# KiCad board prelude-driver-tail.kicad_pcb (continued)
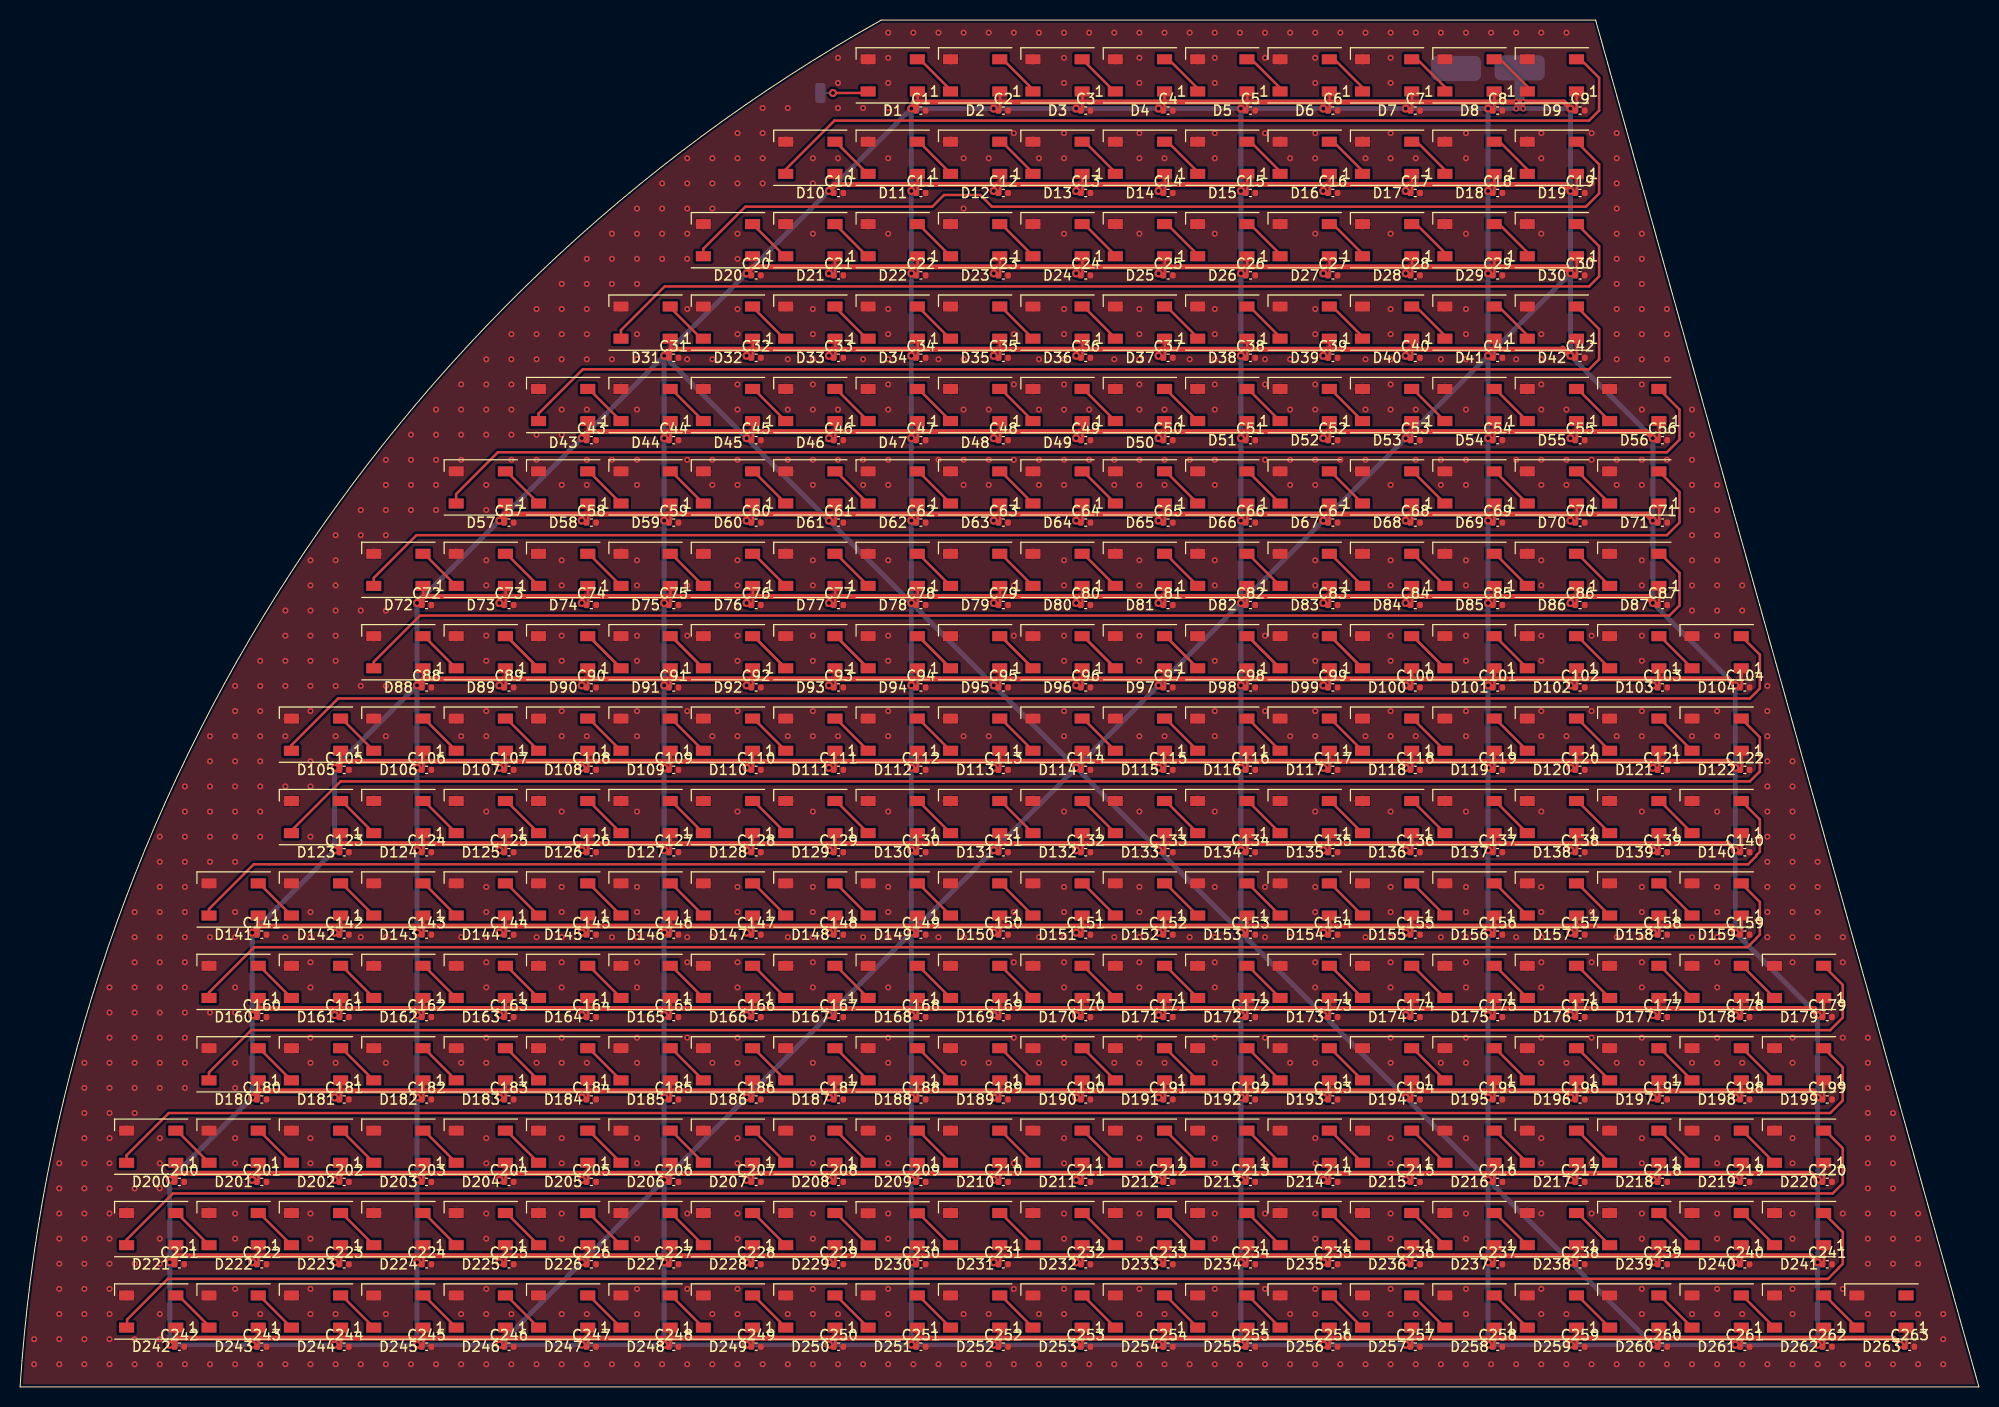
[diagram p0: board, top side]
## Copper pours and planes (outline as drawn; the poured copper is in the pictures) (continued)
+5V on Top: 81.85,95.4 81.35,94.88 81.35,94 80.1,94 80.1,94.6 80.9,95.6 81.85,95.6
+5V on Top: 131.05,87.2 130.55,86.67 130.55,85.8 129.3,85.8 129.3,86.4 130.1,87.4 131.05,87.4
+5V on Top: 163.85,38 163.35,37.47 163.35,36.6 162.1,36.6 162.1,37.2 162.9,38.2 163.85,38.2
+5V on Top: 172.05,38 171.55,37.47 171.55,36.6 170.3,36.6 170.3,37.2 171.1,38.2 172.05,38.2
+5V on Top: 24.45,46.2 23.95,45.67 23.95,44.8 22.7,44.8 22.7,45.4 23.5,46.4 24.45,46.4
+5V on Top: 81.85,62.6 81.35,62.08 81.35,61.2 80.1,61.2 80.1,61.8 80.9,62.8 81.85,62.8
+5V on Top: 122.85,38 122.35,37.47 122.35,36.6 121.1,36.6 121.1,37.2 121.9,38.2 122.85,38.2
+5V on Top: 131.05,103.6 130.55,103.08 130.55,102.2 129.3,102.2 129.3,102.8 130.1,103.8 131.05,103.8
+5V on Top: 81.85,38 81.35,37.47 81.35,36.6 80.1,36.6 80.1,37.2 80.9,38.2 81.85,38.2
+5V on Top: 147.45,5.2 146.95,4.68 146.95,3.8 145.7,3.8 145.7,4.4 146.5,5.4 147.45,5.4
+5V on Top: 139.25,46.2 138.75,45.67 138.75,44.8 137.5,44.8 137.5,45.4 138.3,46.4 139.25,46.4
+5V on Top: 57.25,62.6 56.75,62.08 56.75,61.2 55.5,61.2 55.5,61.8 56.3,62.8 57.25,62.8
+5V on Top: 65.45,5.2 64.95,4.68 64.95,3.8 63.7,3.8 63.7,4.4 64.5,5.4 65.45,5.4
+5V on Top: 122.85,103.6 122.35,103.08 122.35,102.2 121.1,102.2 121.1,102.8 121.9,103.8 122.85,103.8
+5V on Top: 65.45,21.6 64.95,21.08 64.95,20.2 63.7,20.2 63.7,20.8 64.5,21.8 65.45,21.8
+5V on Top: 49.05,46.2 48.55,45.67 48.55,44.8 47.3,44.8 47.3,45.4 48.1,46.4 49.05,46.4
+5V on Top: 131.05,21.6 130.55,21.08 130.55,20.2 129.3,20.2 129.3,20.8 130.1,21.8 131.05,21.8
+5V on Top: 32.65,21.6 32.15,21.08 32.15,20.2 30.9,20.2 30.9,20.8 31.7,21.8 32.65,21.8
+5V on Top: 57.25,5.2 56.75,4.68 56.75,3.8 55.5,3.8 55.5,4.4 56.3,5.4 57.25,5.4
+5V on Top: 131.05,128.2 130.55,127.67 130.55,126.8 129.3,126.8 129.3,127.4 130.1,128.4 131.05,128.4
+5V on Top: 57.25,79 56.75,78.47 56.75,77.6 55.5,77.6 55.5,78.2 56.3,79.2 57.25,79.2
+5V on Top: 139.25,128.2 138.75,127.67 138.75,126.8 137.5,126.8 137.5,127.4 138.3,128.4 139.25,128.4
+5V on Top: 122.85,46.2 122.35,45.67 122.35,44.8 121.1,44.8 121.1,45.4 121.9,46.4 122.85,46.4
+5V on Top: 147.45,46.2 146.95,45.67 146.95,44.8 145.7,44.8 145.7,45.4 146.5,46.4 147.45,46.4
+5V on Top: 163.85,5.2 163.35,4.68 163.35,3.8 162.1,3.8 162.1,4.4 162.9,5.4 163.85,5.4
+5V on Top: 90.05,87.2 89.55,86.67 89.55,85.8 88.3,85.8 88.3,86.4 89.1,87.4 90.05,87.4
+5V on Top: 139.25,13.4 138.75,12.88 138.75,12 137.5,12 137.5,12.6 138.3,13.6 139.25,13.6
+5V on Top: 49.05,29.8 48.55,29.28 48.55,28.4 47.3,28.4 47.3,29 48.1,30 49.05,30
+5V on Top: 90.05,54.4 89.55,53.88 89.55,53 88.3,53 88.3,53.6 89.1,54.6 90.05,54.6
+5V on Top: 106.45,70.8 105.95,70.28 105.95,69.4 104.7,69.4 104.7,70 105.5,71 106.45,71
+5V on Top: 155.65,54.4 155.15,53.88 155.15,53 153.9,53 153.9,53.6 154.7,54.6 155.65,54.6
+5V on Top: 163.85,21.6 163.35,21.08 163.35,20.2 162.1,20.2 162.1,20.8 162.9,21.8 163.85,21.8
+5V on Top: 122.85,79 122.35,78.47 122.35,77.6 121.1,77.6 121.1,78.2 121.9,79.2 122.85,79.2
+5V on Top: 81.85,111.8 81.35,111.28 81.35,110.4 80.1,110.4 80.1,111 80.9,112 81.85,112
+5V on Top: 40.85,21.6 40.35,21.08 40.35,20.2 39.1,20.2 39.1,20.8 39.9,21.8 40.85,21.8
+5V on Top: 147.45,29.8 146.95,29.28 146.95,28.4 145.7,28.4 145.7,29 146.5,30 147.45,30
+5V on Top: 81.85,87.2 81.35,86.67 81.35,85.8 80.1,85.8 80.1,86.4 80.9,87.4 81.85,87.4
+5V on Top: 155.65,103.6 155.15,103.08 155.15,102.2 153.9,102.2 153.9,102.8 154.7,103.8 155.65,103.8
+5V on Top: 24.45,29.8 23.95,29.28 23.95,28.4 22.7,28.4 22.7,29 23.5,30 24.45,30
+5V on Top: 139.25,38 138.75,37.47 138.75,36.6 137.5,36.6 137.5,37.2 138.3,38.2 139.25,38.2
+5V on Top: 73.65,46.2 73.15,45.67 73.15,44.8 71.9,44.8 71.9,45.4 72.7,46.4 73.65,46.4
+5V on Top: 147.45,21.6 146.95,21.08 146.95,20.2 145.7,20.2 145.7,20.8 146.5,21.8 147.45,21.8
+5V on Top: 40.85,38 40.35,37.47 40.35,36.6 39.1,36.6 39.1,37.2 39.9,38.2 40.85,38.2
+5V on Top: 98.25,103.6 97.75,103.08 97.75,102.2 96.5,102.2 96.5,102.8 97.3,103.8 98.25,103.8
+5V on Top: 131.05,70.8 130.55,70.28 130.55,69.4 129.3,69.4 129.3,70 130.1,71 131.05,71
+5V on Top: 98.25,62.6 97.75,62.08 97.75,61.2 96.5,61.2 96.5,61.8 97.3,62.8 98.25,62.8
+5V on Top: 122.85,128.2 122.35,127.67 122.35,126.8 121.1,126.8 121.1,127.4 121.9,128.4 122.85,128.4
+5V on Top: 139.25,62.6 138.75,62.08 138.75,61.2 137.5,61.2 137.5,61.8 138.3,62.8 139.25,62.8
+5V on Top: 65.45,95.4 64.95,94.88 64.95,94 63.7,94 63.7,94.6 64.5,95.6 65.45,95.6
+5V on Top: 106.45,103.6 105.95,103.08 105.95,102.2 104.7,102.2 104.7,102.8 105.5,103.8 106.45,103.8
+5V on Top: 106.45,62.6 105.95,62.08 105.95,61.2 104.7,61.2 104.7,61.8 105.5,62.8 106.45,62.8
+5V on Top: 98.25,111.8 97.75,111.28 97.75,110.4 96.5,110.4 96.5,111 97.3,112 98.25,112
+5V on Top: 24.45,21.6 23.95,21.08 23.95,20.2 22.7,20.2 22.7,20.8 23.5,21.8 24.45,21.8
+5V on Top: 90.05,70.8 89.55,70.28 89.55,69.4 88.3,69.4 88.3,70 89.1,71 90.05,71
+5V on Top: 90.05,29.8 89.55,29.28 89.55,28.4 88.3,28.4 88.3,29 89.1,30 90.05,30
+5V on Top: 65.45,38 64.95,37.47 64.95,36.6 63.7,36.6 63.7,37.2 64.5,38.2 65.45,38.2
+5V on Top: 98.25,70.8 97.75,70.28 97.75,69.4 96.5,69.4 96.5,70 97.3,71 98.25,71
+5V on Top: 32.65,13.4 32.15,12.88 32.15,12 30.9,12 30.9,12.6 31.7,13.6 32.65,13.6
+5V on Top: 65.45,87.2 64.95,86.67 64.95,85.8 63.7,85.8 63.7,86.4 64.5,87.4 65.45,87.4
+5V on Top: 40.85,79 40.35,78.47 40.35,77.6 39.1,77.6 39.1,78.2 39.9,79.2 40.85,79.2
+5V on Top: 49.05,13.4 48.55,12.88 48.55,12 47.3,12 47.3,12.6 48.1,13.6 49.05,13.6
+5V on Top: 114.65,13.4 114.15,12.88 114.15,12 112.9,12 112.9,12.6 113.7,13.6 114.65,13.6
+5V on Top: 163.85,13.4 163.35,12.88 163.35,12 162.1,12 162.1,12.6 162.9,13.6 163.85,13.6
+5V on Top: 73.65,21.6 73.15,21.08 73.15,20.2 71.9,20.2 71.9,20.8 72.7,21.8 73.65,21.8
+5V on Top: 49.05,5.2 48.55,4.68 48.55,3.8 47.3,3.8 47.3,4.4 48.1,5.4 49.05,5.4
+5V on Top: 114.65,54.4 114.15,53.88 114.15,53 112.9,53 112.9,53.6 113.7,54.6 114.65,54.6
+5V on Top: 180.25,13.4 179.75,12.88 179.75,12 178.5,12 178.5,12.6 179.3,13.6 180.25,13.6
+5V on Top: 90.05,79 89.55,78.47 89.55,77.6 88.3,77.6 88.3,78.2 89.1,79.2 90.05,79.2
+5V on Top: 106.45,21.6 105.95,21.08 105.95,20.2 104.7,20.2 104.7,20.8 105.5,21.8 106.45,21.8
+5V on Top: 106.45,87.2 105.95,86.67 105.95,85.8 104.7,85.8 104.7,86.4 105.5,87.4 106.45,87.4
+5V on Top: 147.45,62.6 146.95,62.08 146.95,61.2 145.7,61.2 145.7,61.8 146.5,62.8 147.45,62.8
+5V on Top: 122.85,13.4 122.35,12.88 122.35,12 121.1,12 121.1,12.6 121.9,13.6 122.85,13.6
+5V on Top: 98.25,29.8 97.75,29.28 97.75,28.4 96.5,28.4 96.5,29 97.3,30 98.25,30
+5V on Top: 139.25,95.4 138.75,94.88 138.75,94 137.5,94 137.5,94.6 138.3,95.6 139.25,95.6
+5V on Top: 90.05,62.6 89.55,62.08 89.55,61.2 88.3,61.2 88.3,61.8 89.1,62.8 90.05,62.8
+5V on Top: 114.65,29.8 114.15,29.28 114.15,28.4 112.9,28.4 112.9,29 113.7,30 114.65,30
+5V on Top: 16.25,5.2 15.75,4.68 15.75,3.8 14.5,3.8 14.5,4.4 15.3,5.4 16.25,5.4
+5V on Top: 155.65,62.6 155.15,62.08 155.15,61.2 153.9,61.2 153.9,61.8 154.7,62.8 155.65,62.8
+5V on Top: 98.25,95.4 97.75,94.88 97.75,94 96.5,94 96.5,94.6 97.3,95.6 98.25,95.6
+5V on Top: 155.65,13.4 155.15,12.88 155.15,12 153.9,12 153.9,12.6 154.7,13.6 155.65,13.6
+5V on Top: 57.25,29.8 56.75,29.28 56.75,28.4 55.5,28.4 55.5,29 56.3,30 57.25,30
+5V on Top: 32.65,46.2 32.15,45.67 32.15,44.8 30.9,44.8 30.9,45.4 31.7,46.4 32.65,46.4
+5V on Top: 147.45,103.6 146.95,103.08 146.95,102.2 145.7,102.2 145.7,102.8 146.5,103.8 147.45,103.8
+5V on Top: 49.05,79 48.55,78.47 48.55,77.6 47.3,77.6 47.3,78.2 48.1,79.2 49.05,79.2
+5V on Top: 81.85,103.6 81.35,103.08 81.35,102.2 80.1,102.2 80.1,102.8 80.9,103.8 81.85,103.8
+5V on Top: 65.45,62.6 64.95,62.08 64.95,61.2 63.7,61.2 63.7,61.8 64.5,62.8 65.45,62.8
+5V on Top: 73.65,62.6 73.15,62.08 73.15,61.2 71.9,61.2 71.9,61.8 72.7,62.8 73.65,62.8
+5V on Top: 24.45,5.2 23.95,4.68 23.95,3.8 22.7,3.8 22.7,4.4 23.5,5.4 24.45,5.4
+5V on Top: 114.65,46.2 114.15,45.67 114.15,44.8 112.9,44.8 112.9,45.4 113.7,46.4 114.65,46.4
+5V on Top: 172.05,21.6 171.55,21.08 171.55,20.2 170.3,20.2 170.3,20.8 171.1,21.8 172.05,21.8
+5V on Top: 98.25,13.4 97.75,12.88 97.75,12 96.5,12 96.5,12.6 97.3,13.6 98.25,13.6
+5V on Top: 65.45,13.4 64.95,12.88 64.95,12 63.7,12 63.7,12.6 64.5,13.6 65.45,13.6
+5V on Top: 114.65,38 114.15,37.47 114.15,36.6 112.9,36.6 112.9,37.2 113.7,38.2 114.65,38.2
+5V on Top: 73.65,13.4 73.15,12.88 73.15,12 71.9,12 71.9,12.6 72.7,13.6 73.65,13.6
+5V on Top, Bottom: 149.8,127 148.7,127 148.7,128.05 149.8,128.05
GND on Top, Bottom: 196.65,-1.25 -1.1,-1.25 0.65,13.25 5.15,48 24.4,80.25 39.4,101.25 56.15,119.25 71.94,129.29 84.4,137.25 157.15,137.25
